# KiCad board B3_panel.kicad_pcb (continued)
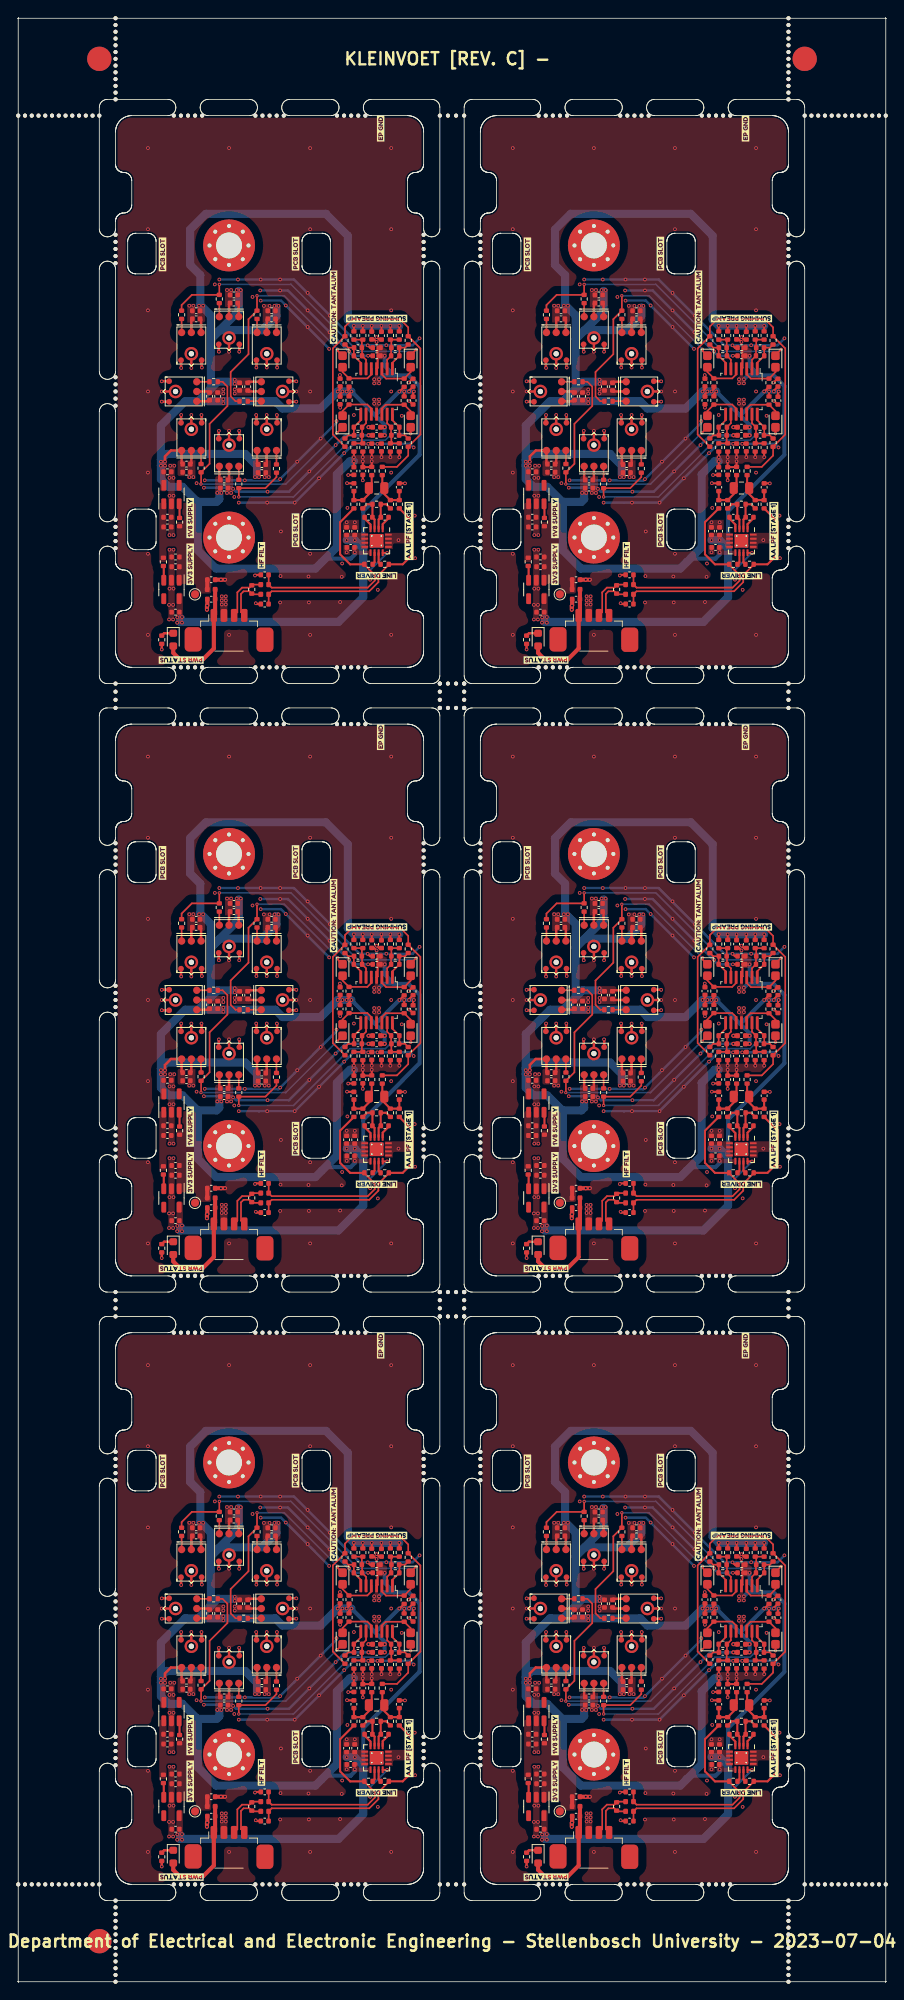
[diagram p0: board, top side]
## Routing (per net, layer and track width the routed paths; a pad name or vN(x,y) marks a point on that pad's centre or on a via; arc(x,y) is an arc through that point) (continued)
Board3_3-/Sensor_board/Preamplifier/~{FB}: length 1.7
  Top w0.25: C1604.1 90.68,105.38 89.95,104.65 U1701.1
Board3_3-/Sensor_board/Preamplifier/~{OUT}: length 1.5
  Top w0.25: U1701.11 89.45,99.94 R1608#5.2
Board3_3-/Sensor_board/Sensor_Conn_3/SIG_CONN_N: length 5.5
  Top w0.2: FB1102#5.1 73.89,96 R1101#3.2 73.52,96.37 72.79,96.37 72.47,96.06 72.47,93.8 J1101#6.1
Board3_3-/Sensor_board/Sensor_Conn_3/SIG_CONN_P: length 6.3
  Top w0.2: J1101#6.2 72.03,93.8 72.03,96.24 72.61,96.83 73.52,96.83 R1101#3.1 73.89,97.2 FB1101#4.1
Board3_3-/Sensor_board/SUM_OUT_P: length 45.6
  Top w0.2: 89.8,111.71 91.71,111.71 93.1,113.1 R1630#2.1 94.6,115.69 94.6,126.31 R1623#4.1 93.1,128.9 92.1,129.9 86.2,129.9 85.3,129 R1625#4.1 83.8,126.31 83.8,115.69 R1635#5.1
Board3_3-GND_SENSOR: length 175.3
  Top w0.25: CB1608#4.2 88.2,114.58 v1(88.17,114.55) ; CB1610#2.2 89.5,127.4 v1(89.2,127.7) ; CB1003#2.2 v1(87.5,110.05) ; v1(93.24,119.82) 93.66,119.4 CB1603#6.2 ; v1(89.3,114.55) 89.33,114.58 CB1607#3.2 ; CB1605#2.2 84.7,123 v1(84.68,123.03) ; C1102#6.1 74.4,94.8 v1(74.3,94.9) ; v1(92.7,109.68) 92.69,109.68 C1607#3.1 ; CB1606#6.2 93.61,122.56 v1(93.15,122.1) ; v1(89.2,127.1) 88.88,127.42 CB1609.2 ; C1101.2 74.28,98.4 v1(74.2,98.32) ; v1(85.7,110.7) 85.72,110.72 C1009#4.2 ; v1(84.7,119) 84.7,119 CB1604.2 ; CB1502#3.2 v1(88.15,125.4) ; v1(85.55,109.7) 85.57,109.68 C1606#3.1 ; v1(88.1,126.69) 88.39,126.4 C1504#5.2
  Top w0.3: MK1404#3.2 62.72,122.27 v1(62.7,122.25) ; v1(72.25,116.15) 72.27,116.13 MK1401#2.2 ; CB1404#2.2 71,131.78 MK1402#6.6 ; MK1404#3.4 62.72,119.73 v1(62.7,119.75) ; R1002#4.2 v1(62.7,89.2) ; MK1406#4.6 66.35,129.83 CB1402#6.2 ; MK1408#4.6 75.65,129.83 CB1406#3.2 ; MK1408#4.2 74.38,123.96 v1(74.38,123.95) ; MK1403.2 79.28,119.73 v1(79.3,119.75) ; v1(69.75,116.15) 69.73,116.13 MK1401#2.4 ; CB1405.2 71,110.22 MK1401#2.6 ; v1(69.75,125.9) 69.73,125.92 MK1402#6.2 ; MK1406#4.3 v1(66.35,123.9) ; MK1405#5.2 76.92,118.08 v1(76.9,118.1) ; MK1401#2.3 v1(71,116.15) ; MK1405#5.3 v1(75.65,118.1) ; CB1407.2 73.42,121 MK1403.6 ; v1(65.1,118.1) 65.08,118.08 MK1407#2.4 ; MK1406#4.2 65.08,123.92 v1(65.1,123.9) ; MK1407#2.2 67.62,118.08 v1(67.6,118.1) ; MK1408#4.4 76.92,123.96 v1(76.93,123.95) ; MK1407#2.6 66.35,112.17 C1506#2.2 ; MK1404#3.3 v1(62.7,121) ; MK1402#6.4 72.27,125.92 v1(72.25,125.9) ; MK1407#2.3 v1(66.35,118.1) ; MK1403.3 v1(79.3,121) ; v1(74.35,118.1) 74.38,118.07 MK1405#5.4 ; MK1402#6.3 v1(71,125.9) ; CB1401#3.2 75.65,112.12 MK1405#5.6 ; MK1404#3.6 68.48,121 CB1408#4.2 ; MK1403.4 79.28,122.27 v1(79.3,122.25) ; MK1406#4.4 67.62,123.98 v1(67.65,123.95) ; MK1408#4.3 v1(75.65,123.95)
  Top w0.5: C1008#2.2 v1(88.2,115.6) ; v1(68.28,94.1) 68.28,94.57 v1(68.3,94.6) 68.32,94.62 C1003#2.2 ; C1004#6.2 v1(88.2,116.6) ; C1005.2 v1(70,97.8) v1(70.5,97.8)
  Bottom w0.2: 73.9,110 76.2,110
  Bottom w0.3: v1(74.85,133.45) v1(77.3,133.45) 78.25,133.45 v1(80.7,131) v1(83.4,128.3) 85.75,125.95 v1(85.82,125.95) 85.82,125.88 86.3,125.4 v1(88.15,125.4) ; v1(67.9,109.14) 67.91,109.15 69.48,109.15 69.48,109.15 70.12,109.15 70.12,109.15 71.35,109.15 v1(71.5,109) 71.85,108.65 v1(75.75,108.65) 78.4,108.65 v1(80.9,111.15) v1(84.15,114.4) 85.35,115.6 v1(88.2,115.6) ; v1(72.2,107.3) v1(79.1,107.3) v1(82.1,110.3) v1(85.2,113.4) 86.35,114.55 v1(88.17,114.55) 93.32,114.55 v1(93.77,114.1) ; v1(94.5,127.55) 93.64,126.69 90.41,126.69 v1(90.4,126.7) 90.39,126.69 v1(88.1,126.69) 88.09,126.7 87.1,126.7 v1(83.45,130.35) 80.7,133.1 v1(80.7,133.15) 80.65,133.15 79,134.8 v1(77.3,134.8) v1(74.9,134.8) v1(72.1,134.8) v1(69.8,134.8) ; v1(74.9,132.2) 74.9,132.2 77.4,132.2 v1(78,131.6) 80.65,128.95 v1(80.7,128.95) 80.7,128.9 83.35,126.25 v1(83.35,126.25) ; 76.2,110 77.1,110 v1(77.3,110.2) 79.4,112.3 v1(79.4,112.35) 79.45,112.35 v1(82.3,115.2) 84.25,117.15 v1(84.25,117.35) ; 73.85,110.05 v1(72.95,110.05) v1(68,110.05)
  vias: v1(61,151) v1(61,141) v1(61,131) v1(61,121) v1(61,111) v1(61,101) v1(61,91) v1(63.6,94.7) v1(63.6,92.9) v1(63.75,111.85) v1(63.65,110.35) v1(63.65,108.15) v1(63.65,103.3) v1(63.65,101.5) v1(63.65,96.7) v1(64.1,94.7) v1(64.1,92.9) v1(64.15,110.35) v1(64.15,108.15) v1(64.15,103.3) v1(64.15,101.5) v1(64.15,96.7) v1(64.25,111.85) v1(66.1,131.57) v1(66.1,110.45) v1(66.6,131.57) v1(66.6,110.45) v1(67,109.7) v1(69.25,134.2) v1(70.1,95.75) v1(70.1,95.25) v1(70.1,94.75) v1(70.3,121.25) v1(70.3,120.75) v1(70.6,95.75) v1(70.6,95.25) v1(70.6,94.75) v1(70.75,133.5) v1(70.75,108.5) v1(71,151) v1(71,91) v1(71.25,133.5) v1(71.25,108.5) v1(71.65,108) v1(71.7,121.25) v1(71.7,120.75) v1(73.9,132.65) v1(75.3,131.55) v1(75.4,110.45) v1(75.7,107.3) v1(75.9,110.45) v1(76,131.55) v1(77.35,98.25) v1(77.3,95) v1(77.4,103.75) v1(80.8,98.2) v1(80.85,95) v1(81,151) v1(81,141) v1(81,121) v1(81,101) v1(81,91) v1(84.7,95.05) v1(84.95,99.8) v1(84.9,98.15) v1(85.51,104.88) v1(85.51,101.18) v1(85.6,106.65) v1(86.4,118.1) v1(86.51,104.88) v1(88.4,97.8) v1(88.9,120) v1(88.9,119.5) v1(89.35,96.55) v1(89.5,120) v1(89.5,119.5) v1(91,151) v1(91,141) v1(91,131) v1(91,121) v1(91,111) v1(91,91) v1(91.9,102.68) v1(92.3,118) v1(92.9,102.68) v1(93.9,105.7) v1(93.95,100.45)
Board3_3-Net-(C1601-Pad1): length 5.7
  Top w0.25: C1606#3.2 R1605#4.2 R1603#2.2 88.43,108.53 88.43,109.1 88.6,109.28 R1601#2.1
Board3_3-Net-(C1601-Pad2): length 5.7
  Top w0.25: C1607#3.2 R1606.2 R1604#5.2 89.97,108.53 89.97,109.1 89.9,109.18 R1602#5.1
Board3_3-Net-(D1001-K): length 1.5
  Top w0.3: R1002#4.1 63,91.21 D1001#3.1
Board3_3-Net-(U1001-EN): length 1.8
  Top w0.25: U1001#5.3 64.9,107.11 R1001#6.2
Board3_3-Net-(U1002-EN): length 1.8
  Top w0.25: U1002#5.3 62.95,99.44 R1003#2.2
Board3_3-VCC_SENSOR: length 14.1
  Top w0.5: 69.28,96.6 69.28,96.59 C1003#2.1 69.28,93.56 J1101#6.4 69.12,89.32 67.8,88 64.9,88 64.12,88.78 D1001#3.2
Board3_4-+1V8: length 228.4
  Top w0.25: v1(48.8,46) 48.7,45.9 CB1603#3.1 ; R1619#4.2 v1(42.5,54.1) ; CB1608.1 v1(43.6,37.9) ; CB1605.1 39.7,46.3 v1(39.4,46) ; CB1610#4.1 v1(44.8,54.1) ; R1622#4.1 40.8,46.3 v1(40.5,46) ; v1(48.2,46) 48.2,46.1 CB1606#4.1 ; v1(42.5,37.4) CB1003#5.1 43.57,36.68 R1601#4.2 v1(43.6,37.4) ; v1(40,46) 39.7,45.7 CB1604#5.1 ; R1620.2 v1(41.4,54.1) ; R1626#3.2 v1(45.9,37.9) ; v1(41.1,46) 40.8,45.7 R1633#6.1 ; CB1607#4.1 v1(44.8,37.9) ; C1009#5.1 v1(41.4,37.4) ; v1(47,46) 47.03,46 R1621#2.1 ; R1632#4.2 v1(41.4,37.9) ; R1627#4.2 v1(47,37.9) ; v1(47.6,46) R1628#6.1 ; R1631#2.2 v1(42.5,37.9) ; CB1609#2.1 v1(43.6,54.1) ; R1618#2.2 v1(47,54.1) ; R1617#2.2 v1(45.9,54.1)
  Top w0.3: MK1406#3.5 22.55,54.83 CB1402#5.1 ; MK1404.5 23.48,44.8 CB1408#3.1 ; C1506#6.1 20.15,37.17 MK1407#6.5 18.83,38.73 18.1,38 v1(18.1,37.35) ; CB1407#5.1 28.42,47.2 MK1403#6.5 ; MK1408#6.5 31.85,54.83 CB1406#6.1 ; CB1404#5.1 27.2,56.78 MK1402#2.5 ; CB1405#4.1 24.8,35.22 MK1401#4.5 ; CB1401#6.1 29.45,37.12 MK1405.5
  Top w0.5: C1004#2.1 v1(45.2,41.6) ; C1008#5.1 v1(45.2,40.6)
  Bottom w0.5: 37.44,24.96 37.88,25.4 41,25.4 41,25.4 41.51,25.91 v1(41.51,26.18) ; 44.05,43.05 v1(47,46) v1(48.2,46) v1(48.8,46) ; 44.05,43.05 v1(41.1,46) ; 44.05,43.05 45.2,41.9 v1(45.2,40.6)
  Bottom w1: v1(17.6,36.85) 17.6,35.2 18.55,34.25 20.25,34.25 22.1,32.4 ; v1(17.6,36.85) 17.6,37.6 18.3,38.3 28,38.3 29.45,36.85 29.45,35.75 ; v1(17.6,36.85) 17.6,41.8 20.6,44.8 22.2,44.8 23.75,46.35 ; 22.1,32.4 22.17,32.33 22.17,26.41 24.41,24.17 36.65,24.17 39.3,26.82 39.3,35.8 40.9,37.4 v1(41.4,37.4) ; 22.1,32.4 24.48,32.4 24.8,32.72 24.8,33.38 ; 27.2,58.4 27.2,55.9 23.75,52.45 24.85,53.55 30.07,53.55 31.85,55.33 31.85,56.35 ; v1(41.1,46) v1(39.4,46) 37.3,43.9 32.6,43.9 31.7,44.8 22.3,44.8 ; 23.75,46.35 23.75,55.37 22.45,56.67 22.45,60.35 21.2,61.6 21.2,65.95 23.15,67.9 37.95,67.9 40.65,65.2 40.65,54.85 v1(41.4,54.1) v1(47,54.1) ; 23.75,46.35 24.6,47.2 26.6,47.2
  vias: v1(17.6,37.35) v1(18.1,36.85) v1(22.3,56.57) v1(22.8,56.57) v1(24.55,33.5) v1(25.05,33.5) v1(25.3,45.05) v1(25.3,44.55) v1(26.7,47.45) v1(26.7,46.95) v1(26.95,58.5) v1(27.45,58.5) v1(29.2,35.45) v1(29.7,35.45) v1(31.6,56.55) v1(32.1,56.55)
Board3_4-+3.3V_SENSOR: length 72.6
  Top w0.25: 44.32,50.4 44.32,48.93 U1601.4 ; 44.32,50.4 CB1502#4.1 ; 44.32,50.4 44.32,51.55 ; U1701#2.12 44.99,26.1 v1(45.5,26.1)
  Bottom w0.25: v1(45.5,26.1) 42.55,23.15 42.55,22.75
  Bottom w0.5: 46.35,48 45.2,49.15 v1(45.2,50.4) ; 46.35,48 48.15,48 49.5,46.65 49.5,38.2 42.55,31.25 42.55,26.64 ; 46.35,48 45,48 v1(44.5,47.5)
  Bottom w1: v1(40.51,27.68) v1(41.51,27.68) 42.55,26.64 42.55,20.65 39.5,17.6 19.95,17.6 19.95,17.85 20.1,18
  vias: v1(19.62,18.16) v1(19.6,17.5) v1(20.2,18.2) v1(20.2,17.5) v1(43.9,47.5) v1(43.9,47) v1(44.5,47)
Board3_4-/Sensor_board/Buffer/IN0: length 1.6
  Top w0.2: MK1404.1 R1609#2.1
Board3_4-/Sensor_board/Buffer/IN1: length 1.7
  Top w0.2: R1614#3.1 MK1406#3.1
Board3_4-/Sensor_board/Buffer/IN2: length 1.7
  Top w0.2: R1611.1 MK1402#2.1
Board3_4-/Sensor_board/Buffer/IN3: length 1.7
  Top w0.2: R1616#4.1 MK1408#6.1
Board3_4-/Sensor_board/Buffer/IN4: length 1.7
  Top w0.2: R1610#4.1 MK1403#6.1
Board3_4-/Sensor_board/Buffer/IN5: length 1.7
  Top w0.2: MK1405.1 R1613#2.1
Board3_4-/Sensor_board/Buffer/IN6: length 1.7
  Top w0.2: MK1401#4.1 R1612#5.1
Board3_4-/Sensor_board/Buffer/IN7: length 1.7
  Top w0.2: MK1407#6.1 R1615#2.1
Board3_4-/Sensor_board/Buffer/PAIR_A: length 36
  Top w0.2: R1614#3.2 20.15,56.65 21.41,57.91 R1611.2 v2(24.8,59.2) ; 48.4,50.5 49.09,51.19 v2(49.1,51.19)
  Bottom w0.2: v2(49.1,51.19) 48.86,50.95 41.9,50.95 33.65,59.2 v2(24.8,59.2)
Board3_4-/Sensor_board/Buffer/PAIR_B: length 28.8
  Top w0.2: v2(29.45,57.8) R1616#4.2 28.4,54.91 28.4,50.6 26.2,48.4 26.2,45.4 26.8,44.8 R1610#4.2 ; v2(39.4,51.2) 39.4,51 40,50.4
  Bottom w0.2: v2(29.45,57.8) 32.8,57.8 v2(39.4,51.2)
Board3_4-/Sensor_board/Buffer/PAIR_C: length 35.2
  Top w0.2: R1609#2.2 25.2,47.2 25.8,46.6 25.8,44.21 23.6,42.01 23.6,37.09 R1615#2.2 22.55,34.6 v2(22.54,34.59) ; C1609#6.1 39.31,40.9 v2(39.3,40.9)
  Bottom w0.2: v2(39.3,40.9) 32.99,34.59 v2(22.54,34.59)
Board3_4-/Sensor_board/Buffer/PAIR_D: length 32.1
  Top w0.2: v2(48.4,40.8) C1613#2.1 ; R1613#2.2 31.85,35.45 30.49,34.09 R1612#5.2 v2(27.2,33)
  Bottom w0.2: v2(27.2,33) 33.95,33 40.95,40 45.28,40 46.07,40.8 v2(48.4,40.8)
Board3_4-/Sensor_board/Buffer/PREAMP_A_FB: length 5
  Top w0.2: U1601.2 45.5,49.91 R1514.1 45.99,51.37 C1502#3.2 46.02,52.27 R1617#2.1 R1618#2.1
Board3_4-/Sensor_board/Buffer/PREAMP_A_OUT: length 4.3
  Top w0.2: R1623.2 47.71,51.4 C1502#3.1 47.01,51.37 R1514.2 46.15,49.54 U1601.1
Board3_4-/Sensor_board/Buffer/PREAMP_B_FB: length 5
  Top w0.2: U1601.6 42.9,49.91 R1624#6.1 42.41,51.37 C1610#5.2 42.38,52.27 R1619#4.1 R1620.1
Board3_4-/Sensor_board/Buffer/PREAMP_B_OUT: length 4.3
  Top w0.2: U1601.7 42.25,49.54 R1624#6.2 41.39,51.37 C1610#5.1 40.69,51.4 R1625#2.2
Board3_4-/Sensor_board/Buffer/PREAMP_C_FB: length 5
  Top w0.2: U1601.9 42.9,42.09 R1634.1 42.41,40.63 C1612#4.2 42.38,39.73 R1631#2.1 R1632#4.1
Board3_4-/Sensor_board/Buffer/PREAMP_C_OUT: length 4.3
  Top w0.2: R1635.2 40.69,40.6 C1612#4.1 41.39,40.63 R1634.2 42.25,42.46 U1601.8
Board3_4-/Sensor_board/Buffer/PREAMP_D_FB: length 5
  Top w0.2: U1601.13 45.5,42.09 R1629#6.1 45.99,40.63 C1611#4.2 46.02,39.73 R1626#3.1 R1627#4.1
Board3_4-/Sensor_board/Buffer/PREAMP_D_OUT: length 4.3
  Top w0.2: U1601.14 46.15,42.46 R1629#6.2 47.01,40.63 C1611#4.1 47.71,40.6 R1630#3.2
Board3_4-/Sensor_board/Buffer/SENS_ARRAY_A: length 5.4
  Top w0.2: C1608#3.2 48.4,48.39 R1621#2.2 45.36,47.59 44.85,48.1 U1601.3
Board3_4-/Sensor_board/Buffer/SENS_ARRAY_B: length 5.4
  Top w0.2: U1601.5 43.55,48.1 43.06,47.61 R1622#4.2 40,48.41 C1614.2
Board3_4-/Sensor_board/Buffer/SENS_ARRAY_C: length 5.4
  Top w0.2: U1601.10 43.55,43.9 43.06,44.39 R1633#6.2 40,43.59 C1609#6.2
Board3_4-/Sensor_board/Buffer/SENS_ARRAY_D: length 5.3
  Top w0.2: U1601.12 44.85,43.9 45.32,44.37 R1628#6.2 48.4,43.57 C1613#2.2
Board3_4-/Sensor_board/Preamplifier/FB: length 1.7
  Top w0.25: U1701#2.4 43.45,29.6 42.72,30.33 C1603#4.1
Board3_4-/Sensor_board/Preamplifier/FDA_IN: length 4.6
  Top w0.25: U1701#2.2 44.45,30.23 C1604#5.2 44.71,30.51 C1602.2 45.39,32.1 R1604#4.1
Board3_4-/Sensor_board/Preamplifier/FDA_~{IN}: length 4.6
  Top w0.25: R1603#3.1 43.01,32.1 C1602.1 43.69,30.51 C1603#4.2 43.95,30.23 U1701#2.3
Board3_4-/Sensor_board/Preamplifier/OUT: length 1.5
  Top w0.25: U1701#2.10 43.95,24.94 R1607#5.2
Board3_4-/Sensor_board/Preamplifier/SIG_N: length 27.8
  Top w0.2: C1102.2 30.88,19.81 30.88,21 31.26,21.37 43.29,21.37 44.43,22.51 44.43,23.37 45.71,24.65 R1608#2.1
  Top w0.25: 45.78,24.7 47.42,24.7 48.66,25.94 48.66,29.93 R1606#6.1
Board3_4-/Sensor_board/Preamplifier/SIG_P: length 27.1
  Top w0.2: R1607#5.1 42.69,24.65 43.97,23.37 43.97,22.69 43.11,21.83 31.26,21.83 30.88,22.2 30.88,23.4 C1101#5.1
  Top w0.25: R1605#6.1 39.7,29.89 39.7,25.93 40.94,24.69 42.57,24.69
Board3_4-/Sensor_board/Preamplifier/~{FB}: length 1.7
  Top w0.25: U1701#2.1 44.95,29.65 45.68,30.38 C1604#5.1
Board3_4-/Sensor_board/Preamplifier/~{OUT}: length 1.5
  Top w0.25: R1608#2.2 44.45,24.94 U1701#2.11
Board3_4-/Sensor_board/Sensor_Conn_3/SIG_CONN_N: length 5.5
  Top w0.2: J1101#3.1 27.47,18.8 27.47,21.06 27.79,21.37 28.52,21.37 R1101#5.2 28.89,21 FB1102#2.1
Board3_4-/Sensor_board/Sensor_Conn_3/SIG_CONN_P: length 6.3
  Top w0.2: J1101#3.2 27.03,18.8 27.03,21.24 27.61,21.83 28.52,21.83 R1101#5.1 28.89,22.2 FB1101#6.1
Board3_4-/Sensor_board/SUM_OUT_P: length 45.6
  Top w0.2: 44.8,36.71 46.71,36.71 48.1,38.1 R1630#3.1 49.6,40.69 49.6,51.31 R1623.1 48.1,53.9 47.1,54.9 41.2,54.9 40.3,54 R1625#2.1 38.8,51.31 38.8,40.69 R1635.1
Board3_4-GND_SENSOR: length 175.3
  Top w0.25: C1102.1 29.4,19.8 v1(29.3,19.9) ; CB1609#2.2 43.88,52.42 v1(44.2,52.1) ; v1(43.17,39.55) 43.2,39.58 CB1608.2 ; v1(40.55,34.7) 40.57,34.68 C1606#4.1 ; v1(39.68,48.03) 39.7,48 CB1605.2 ; CB1003#5.2 v1(42.5,35.05) ; CB1607#4.2 44.33,39.58 v1(44.3,39.55) ; C1607#6.1 47.69,34.68 v1(47.7,34.68) ; v1(43.1,51.69) 43.39,51.4 C1504#3.2 ; CB1603#3.2 48.66,44.4 v1(48.24,44.82) ; v1(40.7,35.7) 40.72,35.72 C1009#5.2 ; CB1610#4.2 44.5,52.4 v1(44.2,52.7) ; C1101#5.2 29.28,23.4 v1(29.2,23.32) ; CB1502#4.2 v1(43.15,50.4) ; CB1604#5.2 39.7,44 v1(39.7,44) ; v1(48.15,47.1) 48.61,47.56 CB1606#4.2
  Top w0.3: MK1401#4.6 26,35.22 CB1405#4.2 ; v1(24.75,41.15) 24.73,41.13 MK1401#4.4 ; MK1406#3.3 v1(21.35,48.9) ; MK1407#6.2 22.62,43.08 v1(22.6,43.1) ; MK1403#6.6 28.42,46 CB1407#5.2 ; v1(31.9,43.1) 31.92,43.08 MK1405.2 ; v1(29.38,48.95) 29.38,48.96 MK1408#6.2 ; CB1406#6.2 30.65,54.83 MK1408#6.6 ; v1(24.75,50.9) 24.73,50.92 MK1402#2.2 ; CB1401#6.2 30.65,37.12 MK1405.6 ; CB1402#5.2 21.35,54.83 MK1406#3.6 ; MK1403#6.2 34.28,44.73 v1(34.3,44.75) ; R1002#5.2 v1(17.7,14.2) ; v1(34.3,47.25) 34.28,47.27 MK1403#6.4 ; MK1407#6.3 v1(21.35,43.1) ; MK1408#6.4 31.92,48.96 v1(31.93,48.95) ; v1(20.1,43.1) 20.08,43.08 MK1407#6.4 ; MK1404.3 v1(17.7,46) ; v1(27.25,41.15) 27.27,41.13 MK1401#4.2 ; v1(17.7,44.75) 17.72,44.73 MK1404.4 ; MK1405.4 29.38,43.07 v1(29.35,43.1) ; C1506#6.2 21.35,37.17 MK1407#6.6 ; MK1402#2.4 27.27,50.92 v1(27.25,50.9) ; MK1404.6 23.48,46 CB1408#3.2 ; MK1408#6.3 v1(30.65,48.95) ; MK1404.2 17.72,47.27 v1(17.7,47.25) ; v1(22.65,48.95) 22.62,48.98 MK1406#3.4 ; MK1405.3 v1(30.65,43.1) ; CB1404#5.2 26,56.78 MK1402#2.6 ; MK1403#6.3 v1(34.3,46) ; MK1402#2.3 v1(26,50.9) ; v1(20.1,48.9) 20.08,48.92 MK1406#3.2 ; MK1401#4.3 v1(26,41.15)
  Top w0.5: C1003#6.2 23.32,19.62 v1(23.3,19.6) 23.28,19.57 v1(23.28,19.1) ; C1005#4.2 v1(25,22.8) v1(25.5,22.8) ; C1004#2.2 v1(43.2,41.6) ; C1008#5.2 v1(43.2,40.6)
  Bottom w0.2: 28.9,35 31.2,35
  Bottom w0.3: v1(27.2,32.3) v1(34.1,32.3) v1(37.1,35.3) v1(40.2,38.4) 41.35,39.55 v1(43.17,39.55) 48.32,39.55 v1(48.77,39.1) ; v1(29.9,57.2) 29.9,57.2 32.4,57.2 v1(33,56.6) 35.65,53.95 v1(35.7,53.95) 35.7,53.9 38.35,51.25 v1(38.35,51.25) ; v1(29.85,58.45) v1(32.3,58.45) 33.25,58.45 v1(35.7,56) v1(38.4,53.3) 40.75,50.95 v1(40.82,50.95) 40.82,50.88 41.3,50.4 v1(43.15,50.4) ; v1(39.25,42.35) 39.25,42.15 v1(37.3,40.2) 34.45,37.35 v1(34.4,37.35) 34.4,37.3 v1(32.3,35.2) 32.1,35 31.2,35 ; v1(24.8,59.8) v1(27.1,59.8) v1(29.9,59.8) v1(32.3,59.8) 34,59.8 35.65,58.15 v1(35.7,58.15) 35.7,58.1 v1(38.45,55.35) 42.1,51.7 43.09,51.7 v1(43.1,51.69) 45.39,51.69 v1(45.4,51.7) 45.41,51.69 48.64,51.69 v1(49.5,52.55) ; v1(22.9,34.14) 22.91,34.15 24.48,34.15 24.48,34.15 25.12,34.15 25.12,34.15 26.35,34.15 v1(26.5,34) 26.85,33.65 v1(30.75,33.65) 33.4,33.65 v1(35.9,36.15) v1(39.15,39.4) 40.35,40.6 v1(43.2,40.6) ; v1(23,35.05) v1(27.95,35.05) 28.85,35.05
  vias: v1(16,76) v1(16,66) v1(16,56) v1(16,46) v1(16,36) v1(16,26) v1(16,16) v1(18.6,19.7) v1(18.6,17.9) v1(18.75,36.85) v1(18.65,35.35) v1(18.65,33.15) v1(18.65,28.3) v1(18.65,26.5) v1(18.65,21.7) v1(19.1,19.7) v1(19.1,17.9) v1(19.15,35.35) v1(19.15,33.15) v1(19.15,28.3) v1(19.15,26.5) v1(19.15,21.7) v1(19.25,36.85) v1(21.1,56.57) v1(21.1,35.45) v1(21.6,56.57) v1(21.6,35.45) v1(22,34.7) v1(24.25,59.2) v1(25.1,20.75) v1(25.1,20.25) v1(25.1,19.75) v1(25.3,46.25) v1(25.3,45.75) v1(25.6,20.75) v1(25.6,20.25) v1(25.6,19.75) v1(25.75,58.5) v1(25.75,33.5) v1(26,76) v1(26,16) v1(26.25,58.5) v1(26.25,33.5) v1(26.65,33) v1(26.7,46.25) v1(26.7,45.75) v1(28.9,57.65) v1(30.3,56.55) v1(30.4,35.45) v1(30.7,32.3) v1(30.9,35.45) v1(31,56.55) v1(32.35,23.25) v1(32.3,20) v1(32.4,28.75) v1(35.8,23.2) v1(35.85,20) v1(36,76) v1(36,66) v1(36,46) v1(36,26) v1(36,16) v1(39.7,20.05) v1(39.95,24.8) v1(39.9,23.15) v1(40.51,29.88) v1(40.51,26.18) v1(40.6,31.65) v1(41.4,43.1) v1(41.51,29.88) v1(43.4,22.8) v1(43.9,45) v1(43.9,44.5) v1(44.35,21.55) v1(44.5,45) v1(44.5,44.5) v1(46,76) v1(46,66) v1(46,56) v1(46,46) v1(46,36) v1(46,16) v1(46.9,27.68) v1(47.3,43) v1(47.9,27.68) v1(48.9,30.7) v1(48.95,25.45)
Board3_4-Net-(C1601-Pad1): length 5.7
  Top w0.25: C1606#4.2 R1605#6.2 R1603#3.2 43.43,33.53 43.43,34.1 43.6,34.28 R1601#4.1
Board3_4-Net-(C1601-Pad2): length 5.7
  Top w0.25: R1602#4.1 44.9,34.18 44.97,34.1 44.97,33.53 R1604#4.2 R1606#6.2 C1607#6.2
Board3_4-Net-(D1001-K): length 1.5
  Top w0.3: R1002#5.1 18,16.21 D1001#4.1
Board3_4-Net-(U1001-EN): length 1.8
  Top w0.25: U1001#6.3 19.9,32.11 R1001#2.2
Board3_4-Net-(U1002-EN): length 1.8
  Top w0.25: R1003#5.2 17.95,24.44 U1002.3
Board3_4-VCC_SENSOR: length 14.1
  Top w0.5: 24.28,21.6 24.28,21.59 C1003#6.1 24.28,18.56 J1101#3.4 24.12,14.32 22.8,13 19.9,13 19.12,13.78 D1001#4.2
Board3_5-+1V8: length 228.4
  Top w0.25: R1618#5.2 v1(92,54.1) ; v1(93.2,46) 93.2,46.1 CB1606#3.1 ; C1009#3.1 v1(86.4,37.4) ; CB1607#2.1 v1(89.8,37.9) ; CB1610.1 v1(89.8,54.1) ; CB1609#3.1 v1(88.6,54.1) ; CB1603#4.1 93.7,45.9 v1(93.8,46) ; v1(92.6,46) R1628.1 ; v1(85.5,46) 85.8,46.3 R1622.1 ; v1(87.5,37.4) CB1003#6.1 88.57,36.68 R1601#6.2 v1(88.6,37.4) ; R1617.2 v1(90.9,54.1) ; R1620#4.2 v1(86.4,54.1) ; v1(84.4,46) 84.7,46.3 CB1605#4.1 ; R1633#2.1 85.8,45.7 v1(86.1,46) ; R1619#3.2 v1(87.5,54.1) ; R1631#6.2 v1(87.5,37.9) ; R1632#6.2 v1(86.4,37.9) ; R1626#6.2 v1(90.9,37.9) ; R1627#6.2 v1(92,37.9) ; v1(92,46) 92.03,46 R1621#3.1 ; CB1604#4.1 84.7,45.7 v1(85,46) ; CB1608#3.1 v1(88.6,37.9)
  Top w0.3: MK1408.5 76.85,54.83 CB1406.1 ; MK1403#3.5 73.42,47.2 CB1407#6.1 ; CB1405#3.1 69.8,35.22 MK1401#6.5 ; MK1402#5.5 72.2,56.78 CB1404#6.1 ; MK1405#6.5 74.45,37.12 CB1401.1 ; MK1406#2.5 67.55,54.83 CB1402#4.1 ; v1(63.1,37.35) 63.1,38 63.83,38.73 MK1407.5 65.15,37.17 C1506#5.1 ; MK1404#5.5 68.48,44.8 CB1408#6.1
  Top w0.5: C1004#5.1 v1(90.2,41.6) ; C1008#3.1 v1(90.2,40.6)
  Bottom w0.5: v1(93.8,46) v1(93.2,46) v1(92,46) 89.05,43.05 ; 82.44,24.96 82.88,25.4 86,25.4 86,25.4 86.51,25.91 v1(86.51,26.18) ; 89.05,43.05 90.2,41.9 v1(90.2,40.6) ; 89.05,43.05 v1(86.1,46)
  Bottom w1: 69.8,33.38 69.8,32.72 69.48,32.4 67.1,32.4 ; v1(62.6,36.85) 62.6,35.2 63.55,34.25 65.25,34.25 67.1,32.4 ; v1(62.6,36.85) 62.6,41.8 65.6,44.8 67.2,44.8 68.75,46.35 ; v1(62.6,36.85) 62.6,37.6 63.3,38.3 73,38.3 74.45,36.85 74.45,35.75 ; 68.75,46.35 68.75,55.37 67.45,56.67 67.45,60.35 66.2,61.6 66.2,65.95 68.15,67.9 82.95,67.9 85.65,65.2 85.65,54.85 v1(86.4,54.1) v1(92,54.1) ; 68.75,46.35 69.6,47.2 71.6,47.2 ; 67.1,32.4 67.17,32.33 67.17,26.41 69.41,24.17 81.65,24.17 84.3,26.82 84.3,35.8 85.9,37.4 v1(86.4,37.4) ; 67.3,44.8 76.7,44.8 77.6,43.9 82.3,43.9 v1(84.4,46) v1(86.1,46) ; 72.2,58.4 72.2,55.9 68.75,52.45 69.85,53.55 75.07,53.55 76.85,55.33 76.85,56.35
  vias: v1(62.6,37.35) v1(63.1,36.85) v1(67.3,56.57) v1(67.8,56.57) v1(69.55,33.5) v1(70.05,33.5) v1(70.3,45.05) v1(70.3,44.55) v1(71.7,47.45) v1(71.7,46.95) v1(71.95,58.5) v1(72.45,58.5) v1(74.2,35.45) v1(74.7,35.45) v1(76.6,56.55) v1(77.1,56.55)
Board3_5-+3.3V_SENSOR: length 72.6
  Top w0.25: U1601#4.4 89.32,48.93 89.32,50.4 ; U1701#4.12 89.99,26.1 v1(90.5,26.1) ; 89.32,50.4 89.32,51.55 ; 89.32,50.4 CB1502#6.1
  Bottom w0.25: 87.55,22.75 87.55,23.15 v1(90.5,26.1)
  Bottom w0.5: v1(90.2,50.4) 90.2,49.15 91.35,48 ; v1(89.5,47.5) 90,48 91.35,48 ; 87.55,26.64 87.55,31.25 94.5,38.2 94.5,46.65 93.15,48 91.35,48
  Bottom w1: v1(85.51,27.68) v1(86.51,27.68) 87.55,26.64 87.55,20.65 84.5,17.6 64.95,17.6 64.95,17.85 65.1,18
  vias: v1(64.62,18.16) v1(64.6,17.5) v1(65.2,18.2) v1(65.2,17.5) v1(88.9,47.5) v1(88.9,47) v1(89.5,47)
Board3_5-/Sensor_board/Buffer/IN0: length 1.6
  Top w0.2: MK1404#5.1 R1609.1
Board3_5-/Sensor_board/Buffer/IN1: length 1.7
  Top w0.2: R1614#5.1 MK1406#2.1
Board3_5-/Sensor_board/Buffer/IN2: length 1.7
  Top w0.2: R1611#5.1 MK1402#5.1
Board3_5-/Sensor_board/Buffer/IN3: length 1.7
  Top w0.2: R1616#2.1 MK1408.1
Board3_5-/Sensor_board/Buffer/IN4: length 1.7
  Top w0.2: R1610.1 MK1403#3.1
Board3_5-/Sensor_board/Buffer/IN5: length 1.7
  Top w0.2: MK1405#6.1 R1613.1
Board3_5-/Sensor_board/Buffer/IN6: length 1.7
  Top w0.2: MK1401#6.1 R1612#6.1
Board3_5-/Sensor_board/Buffer/IN7: length 1.7
  Top w0.2: MK1407.1 R1615#3.1
Board3_5-/Sensor_board/Buffer/PAIR_A: length 36
  Top w0.2: v2(69.8,59.2) R1611#5.2 66.41,57.91 65.15,56.65 R1614#5.2 ; 93.4,50.5 94.09,51.19 v2(94.1,51.19)
  Bottom w0.2: v2(94.1,51.19) 93.86,50.95 86.9,50.95 78.65,59.2 v2(69.8,59.2)
Board3_5-/Sensor_board/Buffer/PAIR_B: length 28.8
  Top w0.2: v2(84.4,51.2) 84.4,51 85,50.4 ; R1610.2 71.8,44.8 71.2,45.4 71.2,48.4 73.4,50.6 73.4,54.91 R1616#2.2 v2(74.45,57.8)
  Bottom w0.2: v2(84.4,51.2) 77.8,57.8 v2(74.45,57.8)
Board3_5-/Sensor_board/Buffer/PAIR_C: length 35.2
  Top w0.2: v2(84.3,40.9) 84.31,40.9 C1609.1 ; R1609.2 70.2,47.2 70.8,46.6 70.8,44.21 68.6,42.01 68.6,37.09 R1615#3.2 67.55,34.6 v2(67.54,34.59)
  Bottom w0.2: v2(84.3,40.9) 77.99,34.59 v2(67.54,34.59)
Board3_5-/Sensor_board/Buffer/PAIR_D: length 32.1
  Top w0.2: v2(72.2,33) R1612#6.2 75.49,34.09 76.85,35.45 R1613.2 ; v2(93.4,40.8) C1613#3.1
  Bottom w0.2: v2(72.2,33) 78.95,33 85.95,40 90.28,40 91.07,40.8 v2(93.4,40.8)
Board3_5-/Sensor_board/Buffer/PREAMP_A_FB: length 5
  Top w0.2: U1601#4.2 90.5,49.91 R1514#6.1 90.99,51.37 C1502#4.2 91.02,52.27 R1617.1 R1618#5.1
Board3_5-/Sensor_board/Buffer/PREAMP_A_OUT: length 4.3
  Top w0.2: U1601#4.1 91.15,49.54 R1514#6.2 92.01,51.37 C1502#4.1 92.71,51.4 R1623#6.2
Board3_5-/Sensor_board/Buffer/PREAMP_B_FB: length 5
  Top w0.2: U1601#4.6 87.9,49.91 R1624#3.1 87.41,51.37 C1610.2 87.38,52.27 R1619#3.1 R1620#4.1
Board3_5-/Sensor_board/Buffer/PREAMP_B_OUT: length 4.3
  Top w0.2: R1625#5.2 85.69,51.4 C1610.1 86.39,51.37 R1624#3.2 87.25,49.54 U1601#4.7
Board3_5-/Sensor_board/Buffer/PREAMP_C_FB: length 5
  Top w0.2: R1632#6.1 R1631#6.1 87.38,39.73 C1612#6.2 87.41,40.63 R1634#4.1 87.9,42.09 U1601#4.9
Board3_5-/Sensor_board/Buffer/PREAMP_C_OUT: length 4.3